# Altium PCB RX.PcbDoc (continued)
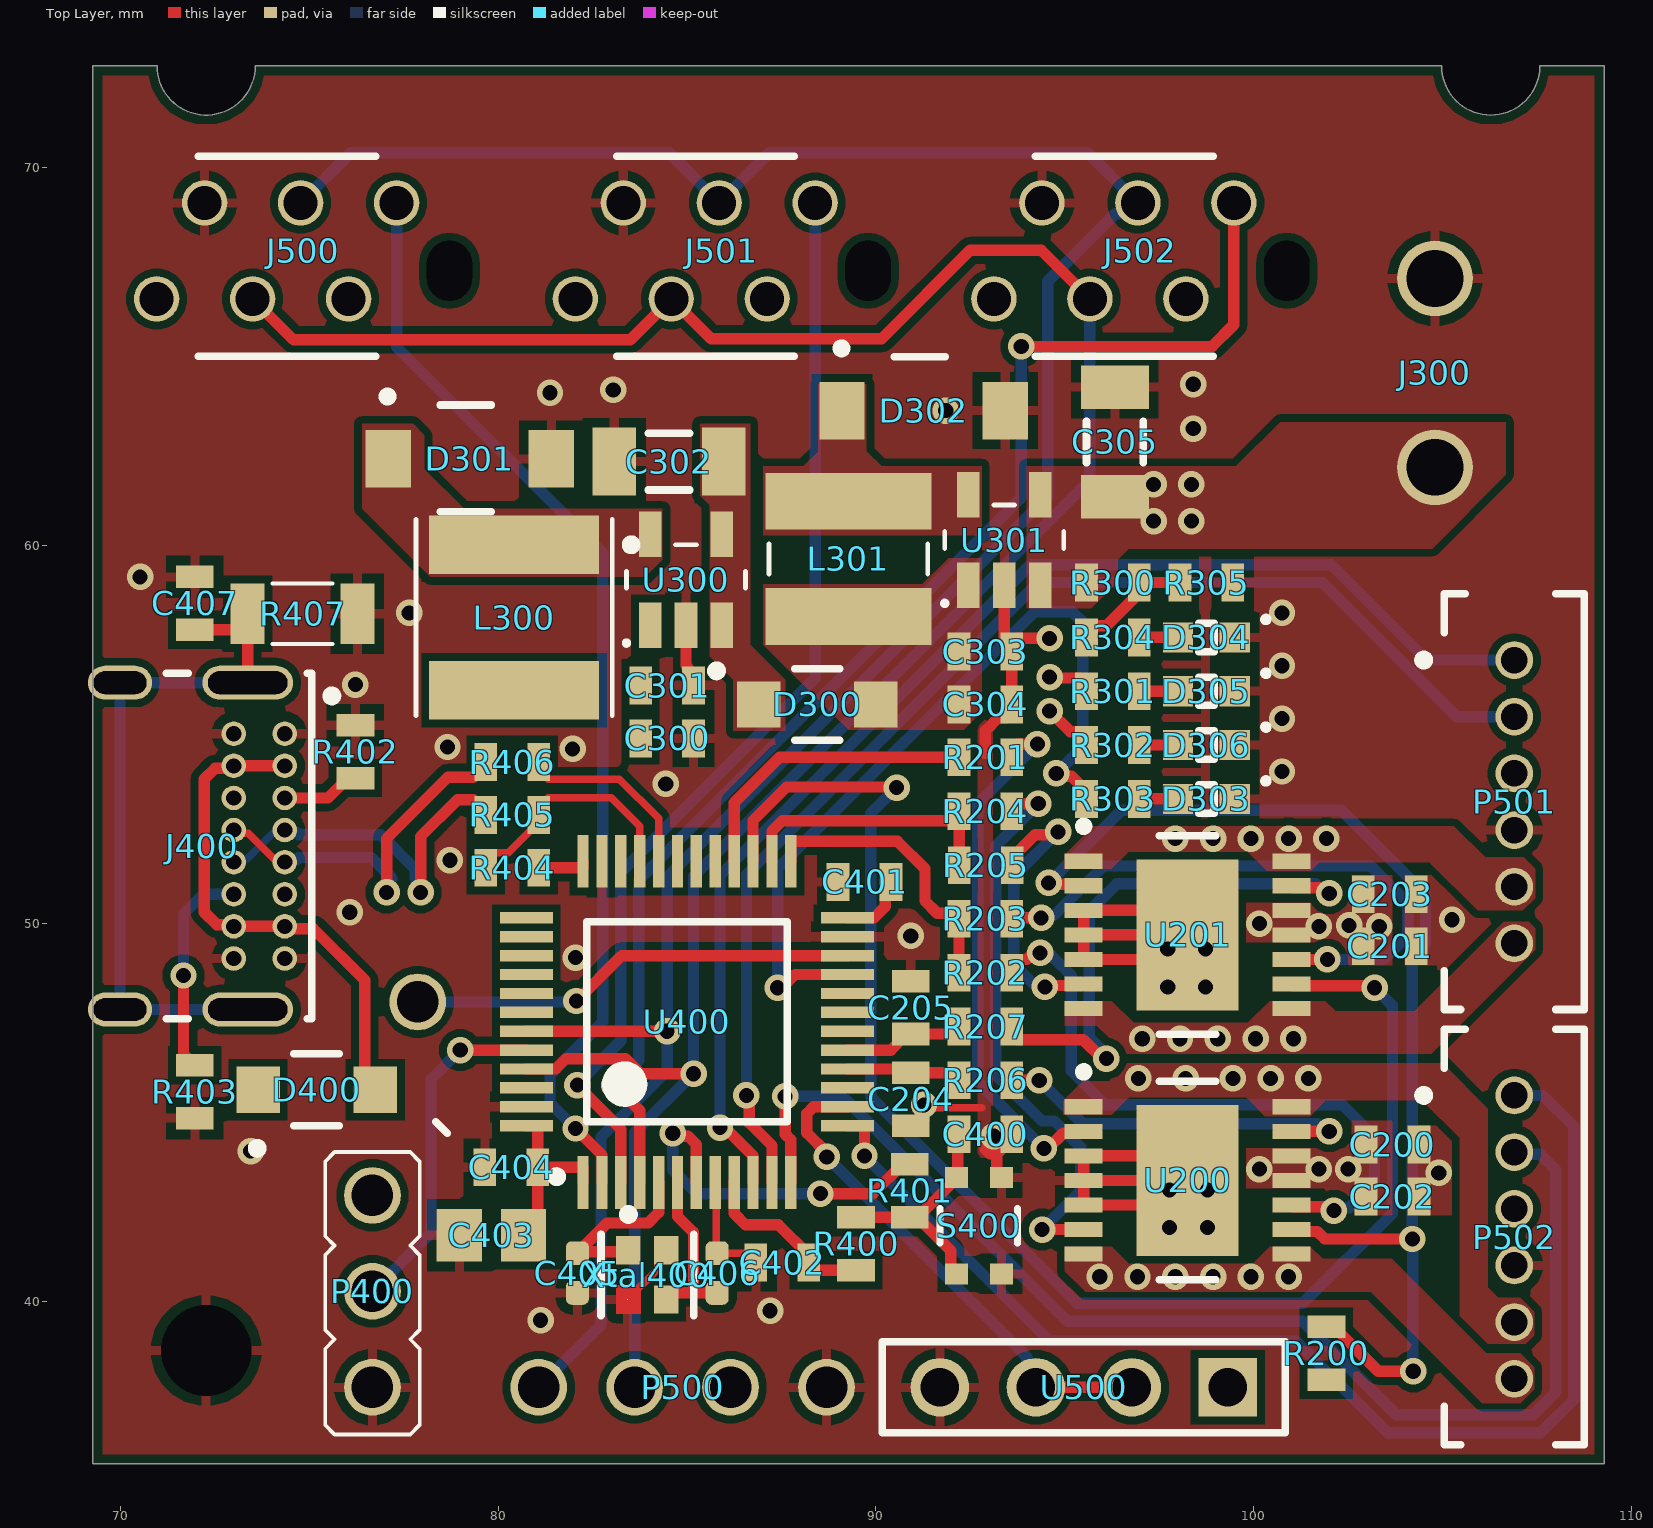
[diagram p0: Top Layer view]
## Footprints (in the part's own frame and the unit in brackets; to place one, negate y for a bottom-side part, rotate by r counter-clockwise, add the part's x,y. Pads: shape width x height; smd on the part's side, far side on the other; paste and mask are expansions set on the pad)
"2.54mm 4 POS XY-MK-5V RF" [mm] "Elevated Socket, 1x5 Pins, Vertical, 2.54mm Pitch, Female"
  rect 1.55x1.55 hole 1.02: 1(0,0)
  round 1.55 hole 1.02: 2(2.54,0) 3(5.08,0) 4(7.62,0)
  silkscreen extent -1.53,-1.2 9.14,1.2, body extent -20.98,2.21 9.02,21.41, height 6.1
"3Pos Pin Header" [mm]
  round 1.5 hole 1.1: 1(-2.56,0) 2(-0.02,0) 3(2.52,0)
  silkscreen extent -3.81,-1.25 3.67,1.25, body extent -3.89,-1.24 3.73,1.25, height 8.57
"4Pos Pin Header Vertical" [mm]
  round 1.5 hole 1.1: 1(-3.81,0) 2(-1.27,0) 3(1.27,0) 4(3.81,0)
  body extent -5.08,-1.27 5.08,1.27, height 8.57
7-215079-6-Footprint-1 [mm]
  round 0 hole 1.2 slot 1.6 at 90 deg unplated: 0(7.75,0.74)
  round 1.2 hole 0.9: 1(0,0) 2(1.27,2.54) 3(2.54,0) 4(3.81,2.54) 5(5.08,0) 6(6.35,2.54)
  silkscreen extent 1.1,-1.53 5.8,3.77, body extent -1.6,-1.38 7.96,3.62, height 4
"0603 RED LED" [mm] "Generic 0603 RED LED"
  rect 0.8x0.8 smd: 1(0.75,0) 2(-0.75,0)
  silkscreen extent -0.2,-0.38 1.6,0.5, body extent -0.8,-0.4 0.8,0.4, height 0.4
BTM9011EPXUMA1 [mm]
  rect 1x0.4 smd: 1(-2.75,1.95) 2(-2.75,1.3) 3(-2.75,0.65) 4(-2.75,0) 5(-2.75,-0.65) 6(-2.75,-1.3) 7(-2.75,-1.95) 8(2.75,-1.95) 9(2.75,-1.3) 10(2.75,-0.65) 11(2.75,0) 12(2.75,0.65) 13(2.75,1.3) 14(2.75,1.95)
  rect 2.7x4 smd: 15(0,0)
  silkscreen extent -2.85,-2.62 0.75,2.98, body extent -3,-2.45 3,2.45, height 1.16
FP-ABM11-MFG [mm]
  rect 0.75x0.65 smd paste+0 mask+0: 1(-0.65,-0.5) 3(0.65,0.5) 4(-0.65,0.5)
  round 0.025 smd paste+0 mask+0: 2(0.65,-0.525)
  Top Layer region: 0.275,-0.325 0.425,-0.175 1.025,-0.175 1.025,-0.825 0.275,-0.825
  silkscreen extent -1.72,-1.22 1.07,1.22, body extent -1.17,-0.97 1.17,0.97, height 0.25
FP-B6B-ZR-SM4-TF_LF_SN-MFG [mm]
  round 1 hole 0.7 paste-2539.97 mask+0: 1(-3.75,0) 2(-2.25,0) 3(-0.75,0) 4(0.75,0) 5(2.25,0) 6(3.75,0)
  silkscreen extent -5.5,-2.52 5.5,1.85, body extent -5.25,-1.75 5.25,1.75, height 4.5
FP-MBR1020VL_R1_00001-MFG [mm]
  rect 1.15x1.22 smd paste+0 mask+0: 1(-1.55,0) 2(1.55,0)
  silkscreen extent -2.79,-0.95 0.6,1.01, body extent -2.22,-1.05 2.22,1.05, height 0.25
FP-USB4085-GF-A-MFG [mm]
  rrect100% 0.9x2.4 hole 2.1 slot 0.6 at 0 deg paste-2539.97 mask+0: 1(-4.325,3.045) 2(4.325,3.045)
  rrect100% 0.9x1.7 hole 1.4 slot 0.6 at 0 deg paste-2539.97 mask+0: 3(-4.325,-0.335) 4(4.325,-0.335)
  round 0.65 hole 0.4 paste-2539.97 mask+0: A1(-2.975,4.025) A4(-2.125,4.025) A5(-1.275,4.025) A6(-0.425,4.025) A7(0.425,4.025) A8(1.275,4.025) A9(2.125,4.025) A12(2.975,4.025) B1(2.975,2.675) B4(2.125,2.675) B5(1.275,2.675) B6(0.425,2.675) B7(-0.425,2.675) B8(-1.275,2.675) B9(-2.125,2.675) B12(-2.975,2.675)
  silkscreen extent -4.57,0.89 4.57,5.4, body extent -4.87,-4.83 4.87,4.83, height 0.25
MLCC_0402_M [mm]
  rrect49% 0.63x0.61 smd: 1(-0.525,0) 2(0.525,0)
  body extent -0.5,-0.25 0.5,0.25, height 0.55
MLCC_0603_M [mm]
  rect 0.6x1 smd: 1(-0.7,0) 2(0.7,0)
  body extent -0.8,-0.4 0.8,0.4, height 0.92
MLCC_0805_M [mm] "Chip Capacitor, 2-Leads, Body 2,00x1,25mm, IPC Medium Density"
  rect 1.2x1.4 smd: 1(-0.85,0) 2(0.85,0)
  body extent -1.05,-0.67 1.05,0.67, height 1.35
MLCC_1206_M [mm]
  rect 1.15x1.8 smd: 1(-1.45,0) 2(1.45,0)
  silkscreen extent -0.55,-0.75 0.55,0.75, body extent -1.7,-0.9 1.7,0.9, height 0.75
P5_064B_MFG [mm] "Recommended Land Pattern"
  rect 1.2x0.6 smd paste+0 mask+0: 1(-1.2,0.95) 2(-1.2,0) 3(-1.2,-0.95) 4(1.2,-0.95) 5(1.2,0.95)
  silkscreen extent -1.74,-1.58 0.92,1.64, body extent -1.4,-1.45 1.4,1.45, height 1.1
Resistor_0603_M [mm]
  rect 0.6x1 smd: 1(-0.7,0) 2(0.7,0)
  body extent -0.8,-0.4 0.8,0.4, height 0.45
Resistor_1206_M [mm]
  rect 0.9x1.6 smd: 1(-1.45,0) 2(1.45,0)
  silkscreen extent -0.8,-0.8 0.8,0.8, body extent -1.6,-0.83 1.6,0.83, height 0.56
STM-LQFP48_M [mm] "QFP, 48-Leads, Body 7x7mm, Pitch 0.5mm, IPC Low Density"
  rect 1.4x0.3 smd: 1(-4.25,2.75) 2(-4.25,2.25) 3(-4.25,1.75) 4(-4.25,1.25) 5(-4.25,0.75) 6(-4.25,0.25) 7(-4.25,-0.25) 8(-4.25,-0.75) 9(-4.25,-1.25) 10(-4.25,-1.75) 11(-4.25,-2.25) 12(-4.25,-2.75) 25(4.25,-2.75) 26(4.25,-2.25) 27(4.25,-1.75) 28(4.25,-1.25) 29(4.25,-0.75) 30(4.25,-0.25) 31(4.25,0.25) 32(4.25,0.75) 33(4.25,1.25) 34(4.25,1.75) 35(4.25,2.25) 36(4.25,2.75)
  rect 0.3x1.4 smd: 13(-2.75,-4.25) 14(-2.25,-4.25) 15(-1.75,-4.25) 16(-1.25,-4.25) 17(-0.75,-4.25) 18(-0.25,-4.25) 19(0.25,-4.25) 20(0.75,-4.25) 21(1.25,-4.25) 22(1.75,-4.25) 23(2.25,-4.25) 24(2.75,-4.25) 37(2.75,4.25) 38(2.25,4.25) 39(1.75,4.25) 40(1.25,4.25) 41(0.75,4.25) 42(0.25,4.25) 43(-0.25,4.25) 44(-0.75,4.25) 45(-1.25,4.25) 46(-1.75,4.25) 47(-2.25,4.25) 48(-2.75,4.25)
  silkscreen extent -4.22,-2.65 2.65,3.57, body extent -3.5,-3.5 3.5,3.5, height 1.6
USLPT2819DT4TR-Footprint-1 [mm]
  rect 0.55x0.6 smd: 1(-1.275,0.6) 2(1.275,0.6) 3(-1.275,-0.59) 4(1.275,-0.59)
  silkscreen extent -0.46,-1.02 0.46,1.03, body extent -1.5,-0.94 1.5,0.96, height 0.43
VSSAF3M10HM3_H-Footprint-1 [mm]
  rect 1.2x1.52 smd: 1(-2.16,0) 2(2.16,0)
  silkscreen extent -2.29,-1.4 0.58,1.76, body extent -2.59,-1.29 2.61,1.31, height 1
WE-LQS_4025 [mm] "SMD Power Inductor, 2-Leads, body 4x4mm"
  rect 1.5x4.4 smd: 1(-1.525,0) 2(1.525,0)
  silkscreen extent -0.4,-2.1 0.4,2.1, body extent -2,-2 2,2, height 2.15
WE-LQS_5040 [mm] "SMD Power Inductor, 2-Leads, body 5x5mm"
  rect 1.55x4.5 smd: 1(1.925,0) 2(-1.925,0)
  silkscreen extent -2.6,-3.22 2.6,2.6, body extent -2.5,-2.5 2.5,2.5, height 4.03
XT30U-F [mm]
  round 2 hole 1.5: 1(0,2.5) 2(0,-2.5)
  body extent -2.8,-5.44 2.82,5.43, height 9.67

## Part data
C200 C201: library part CMP-001-1257-1, "MLCC, 0603, 4.7u, 10%, 35V, X5R", Capacitor Type=Ceramic, Case/Package=0603, Dielectric=X5R, Manufacturer=Any, Tolerance=10%, Voltage=35V, Mount=SMD, Part number="MLCC, 0603, 4.7u, 10%, 35V, X5R", RoHS=Yes
C202 C203: library part CMP-001-0755-1, "MLCC, 0603, 100n, 10%, 35V, X7R", Capacitor Type=Ceramic, Case/Package=0603, Dielectric=X7R, Manufacturer=Any, Tolerance=10%, Voltage=35V, Mount=SMD, Part number="MLCC, 0603, 100n, 10%, 35V, X7R", RoHS=Yes
C204 C205: library part CMP-001-0474-1, "MLCC, 0603, 15p, 5%, 50V, C0G/NP0", Capacitor Type=Ceramic, Case/Package=0603, Dielectric=C0G/NP0, Manufacturer=Any, Tolerance=5%, Voltage=50V, Mount=SMD, Part number="MLCC, 0603, 15p, 5%, 50V, C0G/NP0", RoHS=Yes
C300 C301 C303 C304: library part CMP-001-1264-1, "MLCC, 0603, 22u, 10%, 16V, X5R", Capacitor Type=Ceramic, Case/Package=0603, Dielectric=X5R, Manufacturer=Any, Tolerance=10%, Voltage=16V, Mount=SMD, Part number="MLCC, 0603, 22u, 10%, 16V, X5R", RoHS=Yes
C302 C305: library part CMP-001-1124-2, "MLCC, 1206, 4.7u, 10%, 35V, X5R", Capacitor Type=Ceramic, Case/Package=1206, Dielectric=X5R, Manufacturer=Any, Tolerance=10%, Voltage=35V, Mount=SMD, Part number="MLCC, 1206, 4.7u, 10%, 35V, X5R", RoHS=Yes
C400 C401 C402 C404: library part CMP-001-0815-1, "MLCC, 0603, 100n, 10%, 50V, X7R", Capacitor Type=Ceramic, Case/Package=0603, Dielectric=X7R, Manufacturer=Any, Tolerance=10%, Voltage=50V, Mount=SMD, Part number="MLCC, 0603, 100n, 10%, 50V, X7R", RoHS=Yes
C403: library part CMP-001-1830-1, "MLCC, 0805, 4.7u, 20%, 50V, X5R", Capacitor Type=Ceramic, Case/Package=0805, Dielectric=X5R, Manufacturer=Any, Tolerance=20%, Voltage=50V, Mount=SMD, Part number="MLCC, 0805, 4.7u, 20%, 50V, X5R", RoHS=Yes
C405 C406: library part CMP-001-1853-1, "MLCC, 0402, 15p, 10%, 25V, C0G/NP0", Capacitance=15pF, Capacitor Type=Ceramic, Case Code (Imperial)=0402, Case Code (Metric)=1005, Dielectric=C0G, Manufacturer=Any, Max Operating Temperature=125°C, Min Operating Temperature=-55°C, Package Quantity=1, Temperature Coefficient=300ppm/°C, Tolerance=10%, Voltage=25V, Voltage Rating=25, Case/Package=0402, Contact Plating=Tin, Depth=0.5mm, Height=0.5mm, Length=1mm, Material=Ceramic, Mount="Surface Mount", Packaging="Tape and Reel", Part number="MLCC, 0402, 15p, 10%, 25V, C0G/NP0", Radiation Hardening=No, RoHS=Yes, Thickness=0.022inch, Width=0.02inch
C407: library part CMP-001-0547-1, "MLCC, 0603, 1n, 10%, 50V, X5R", Capacitor Type=Ceramic, Case/Package=0603, Dielectric=X5R, Manufacturer=Any, Tolerance=10%, Voltage=50V, Mount=SMD, Part number="MLCC, 0603, 1n, 10%, 50V, X5R", RoHS=Yes
D300 D400: library part CMP-ROOT-01310-1, "Rectifier Diode, Schottky, 1 Phase, 1 Element, 1A, 20V V(RRM), Silicon", Case/Package=SOD-123FL, Forward Current=1A, Manufacturer=Panjit, Max Forward Surge Current (Ifsm)=45A, Max Junction Temperature (Tj)=125°C, Max Repetitive Reverse Voltage (Vrrm)=20V, Min Operating Temperature=-55°C, Peak Reverse Current=600µA, Height=1.1mm, Lifecycle Status=Production, Max Operating Temperature=125°C, Max Output Current=1A, Mount=SMD, Number of Elements=1, Number of Terminals=2, Part number=MBR1020VL_R1_00001, Pins=2, REACH SVHC=No, Reverse Standoff Voltage=20V, RoHS=Compliant
D301 D302: library part CMP-ROOT-01308-1, "Rectifier Diode, Schottky, 1 Phase, 1 Element, 2.3A, 100V V(RRM), Silicon, DO-221AC", Case/Package=DO-221AC-2, Forward Voltage=720mV, Max Forward Surge Current (Ifsm)=80A, Max Operating Temperature=175°C, Max Output Current=2.3A, Min Operating Temperature=-40°C, Peak Reverse Current=200µA, Reverse Standoff Voltage=100V, Lifecycle Status=Production, Manufacturer=VSSAF3M10HM3/H, Mount=SMD, Number of Elements=1, Number of Terminals=2, Part number=VSSAF3M10HM3/H, Pins=2, REACH SVHC=No, RoHS=Compliant
D303 D304 D305 D306: library part CMP-ROOT-00025-2, "Generic red 0603 LED", Case/Package=0603, Manufacturer=Any, Part number="Any Red 0603 LED", Color=Red, Mount=SMD, RoHS=Yes
J300: library part CMP-ROOT-01262-2, "Power Connector", Case/Package=Non-standard, Color=Yellow, Manufacturer=AMASS, Contact Material=Brass, Mount=SMD, Orientation=Straight, Part number=XT30U-F, Pins=2, RoHS=Yes
J400: library part CMP-001-1800-1, "USB Connector, 16 Contact(s), Female, Right Angle, Solder Terminal, Locking, Receptacle", Current Rating=4.25A, Flammability Rating="UL94 V-0", Insulation Color=Black, Manufacturer=GCT, Max Operating Temperature=85°C, Min Operating Temperature=-40°C, Part number=USB4800-03-A, Voltage Rating=20V, Connector Type=USB, Contact Material="Copper Alloy", Contact Plating=Gold, Gender=Receptacle, Height=3.66mm, Mating Cycles=10000, Mount=TH, Mounting Technology="Through Hole,Horizontal", Number of Contacts=16, Number of Ports=1, Number of Positions=16, Orientation="Right Angle", Packaging="Tape and Reel", Pins=16, RoHS=Yes, Series=USB4085, Shielding=Shielded, Standoff Height=3.5mm, Termination=Solder, USB PD=3.2, USB Standard="USB 2.0"
J500 J501 J502: library part CMP-ROOT-01311-2, "Conn FFC Connector F 6 POS 1.27mm Solder ST Thru-Hole Automotive Box/Carton", Color=Red, Contact Current Rating=1A, Contact Resistance=10mΩ, Insulation Resistance=1GΩ, Manufacturer="TE Connectivity", Manufacturer Lifecycle Status=ACTIVE, Max Operating Temperature=105°C, Min Operating Temperature=-40°C, Operating Force=4.8928N, Operating Supply Voltage=100V, China RoHS=Compliant, Contact Gender=Female, Contact Material="Nickel, Tin", Contact Plating=Tin, Current Rating=1A, Height=4.2mm, Housing Color=Red, Insulation Material=Thermoplastic, Lead Free="Lead Free", Lead Pitch=1.27mm, Length=9.7mm, Lifecycle Status=Production, Mating Connector Lock=Without, Mount=TH, Mounting Technology="Through Hole", Number of Contacts=6, Number of Ports=1, Number of Positions=6, Number of Rows=2, Orientation=Vertical, Packaging=Box, Part number=7-215079-6, PCB Mount Retention=With, Pins=6, Plating Thickness=4.99999µm, REACH SVHC=Yes, RoHS=Compliant, Row Spacing=2.54mm, Shielding=No, Terminal Pitch=1.27mm, Voltage Rating=100V, Voltage Rating (DC)=100V
L300: library part CMP-007-0001-1, "Inductor Power Semi-Shielded Wirewound 33uH 20% 100KHz 1.2A 0.188Ohm DCR 2020 Automotive T/R", Ambient Temperature Range High=85°C, Ambient Temperature Range Low=-40°C, Case/Package=Nonstandard, Current Rating=1.2A, DC Resistance (DCR)=188mΩ, Inductance Tolerance=20%, Manufacturer="Wurth Elektronik", Max Operating Temperature=125°C, Part number=74404043220A, Saturation Current=1.4A, Self Resonant Frequency=13MHz, Test Frequency=100kHz, Composition=Wirewound, Core Material=Ferrite, Height=4mm, Height - Seated (Max)=3.9878mm, Length=5mm, Max DC Current=1.2A, Min Operating Temperature=-40°C, Mount=SMD, Mounting Technology="Surface Mount", Pins=2, REACH SVHC=Unknown, RMS Current (Irms)=1.2A, RoHS=Compliant, Shielding=Shielded, Termination=SMD/SMT, Tolerance=20%, Width=5mm
L301: library part CMP-ROOT-01309-1, "General Purpose Inductor, 22uH, 20%, 1 Element, Nickel-zinc Ferrite-Core, SMD, 1616", Ambient Temperature Range High=85°C, Ambient Temperature Range Low=-40°C, Case/Package="4mm x 4mm", Current Rating=1.11A, DC Resistance (DCR)=200mΩ, Inductance Tolerance=20%, Manufacturer="Wurth Elektronik", Max Operating Temperature=125°C, Height=2.5mm, Length=4mm, Min Operating Temperature=-40°C, Mount=SMD, Part number=74404043220A, Pins=2, RoHS=Compliant, Width=4mm
P400: library part CMP-ROOT-00217-1, "Connector Header Through Hole 3 position 0.100\" (2.54mm)", Case/Package=SIL, Color=Black, Contact Resistance=25mR, Current Rating=3A, Insulation Resistance=10GR, Manufacturer="Harwin Inc.", Max Operating Temperature=105°C, Min Operating Temperature=-40°C, Package Quantity=1000, Voltage Rating (AC)=750V, Connector Type="Male Pin", Contact Material=Brass,Bronze, Contact Mating Length=0.24inch, Contact Plating=Gold, Depth=2.54mm, Height=0.125inch, Housing Color=Black, Housing Material=Nylon, Length=7.62mm, Max Current Rating=3A, Mount="Through Hole", Number of Contacts=3, Number of Positions=3, Number of Rows=1, Orientation=Straight, Packaging=Bulk, Part number=M20-9990345, Pins=3, Pitch=2.54mm, Radiation Hardening=No, REACH SVHC="No SVHC", RoHS=Yes, Termination=Solder, Weight=0.006138oz, Width=0.25inch
P500: library part CMP-002-000004-1, "4 POS 2.54mm Vertical THT Header", Manufacturer="Adam Tech", Lead Free="Lead Free", Mount=TH, Number of Positions=4, Part number=PH1-04-UA, Pins=4, Pitch=2.54mm, RoHS=Yes, Termination="Through Hole"
P501 P502: library part CMP-ROOT-01270-2, "Header for PCB; pitch 1.50mm; 6-contacts; THT; male; top entry; 50V/1A", Color="Natural, White", Contact Resistance=30mΩ, Current Rating=1A, Flammability Rating="UL94 V-0", Insulation Resistance=500MΩ, Manufacturer="JST Sales America Inc.", Max Operating Temperature=85°C, Max Voltage Rating (AC)=50V, Min Operating Temperature=-25°C, Part number=B6B-ZR, Body Plating=Tin, China RoHS=Compliant, Connector Type="Male Pin", Contact Gender=Male, Contact Material="Copper, Tin", Contact Mating Length=2.3876mm, Contact Plating=Tin, Depth=3.5mm, Fastening Type=Detent, Gender=Male, Height=4.5mm, Housing Material=Polyamide, Lead Free="Lead Free", Lead Pitch=1.5mm, Length=3.048mm, Lifecycle Status=Production, Material=Nylon, Max Current Rating=1A, Mount=TH, Mounting Technology="Through Hole", Number of Contacts=6, Number of Positions=6, Number of Rows=1, Orientation=Straight, Packaging=Bulk, Panel Thickness=3.5mm, Pins=6, Pitch=1.5mm, REACH SVHC=Yes, RoHS=Compliant, Terminal Pitch=1.5mm, Termination=Solder, Voltage Rating=50V, Voltage Rating (AC)=50V, Voltage Rating (DC)=50V, Weight=28.349523g, Width=5.08mm
R200: library part CMP-001-0084-2, "Resistor, 0603, 2k, 1%, 1/10W", Case/Package=0603, Manufacturer=Any, Power=100mW, Tolerance=1%, Mount=SMD, Part number="Resistor, 0603, 2k, 1%, 1/10W", RoHS=Yes
R201 R202 R203 R204 R205 R206 R207 R405 R406: library part CMP-001-0038-3, "Resistor, 0603, 22R, 1%, 1/10W", Case/Package=0603, Manufacturer=Any, Power=100mW, Tolerance=1%, Mount=SMD, Part number="Resistor, 0603, 22R, 1%, 1/10W", RoHS=Yes
R300: library part CMP-001-0088-2, "Resistor, 0603, 3k, 1%, 1/10W", Case/Package=0603, Manufacturer=Any, Power=100mW, Tolerance=1%, Mount=SMD, Part number="Resistor, 0603, 3k, 1%, 1/10W", RoHS=Yes
R301 R302 R303 R304: library part CMP-001-0060-2, "Resistor, 0603, 200R, 1%, 1/10W", Case/Package=0603, Manufacturer=Any, Power=100mW, Tolerance=1%, Mount=SMD, Part number="Resistor, 0603, 200R, 1%, 1/10W", RoHS=Yes
R305: library part CMP-0001-00237-1, "Resistor, 0603, 1k, 0.1%, 1/16W", Case/Package=0603, Manufacturer=Any, Mount=SMD, Part number=Any, RoHS=Yes
R400: library part CMP-001-0101-2, "Resistor, 0603, 10k, 1%, 1/10W", Case/Package=0603, Manufacturer=Any, Power=100mW, Tolerance=1%, Mount=SMD, Part number="Resistor, 0603, 10k, 1%, 1/10W", RoHS=Yes
R401: library part CMP-001-0054-5, "Resistor, 0603, 100R, 1%, 1/10W", Case/Package=0603, Manufacturer=Any, Power=100mW, Tolerance=1%, Mount=SMD, Part number="Resistor, 0603, 100R, 1%, 1/10W", RoHS=Yes
R402 R403: library part CMP-001-0094-2, "Resistor, 0603, 5.1k, 1%, 1/10W", Case/Package=0603, Manufacturer=Any, Power=100mW, Tolerance=1%, Mount=SMD, Part number="Resistor, 0603, 5.1k, 1%, 1/10W", RoHS=Yes
R404: library part CMP-001-0081-2, "Resistor, 0603, 1.5k, 1%, 1/10W", Case/Package=0603, Manufacturer=Any, Power=100mW, Tolerance=1%, Mount=SMD, Part number="Resistor, 0603, 1.5k, 1%, 1/10W", RoHS=Yes
R407: library part CMP-0001-00051-1, "Resistor, 1206, 1M, 1%, 1/4W", Case/Package=1206, Manufacturer=Any, Mount=SMD, Part number=Any, RoHS=Yes
S400: library part CMP-ROOT-01290-1, "Keypad Switch, SPST, 0.05A, 1.96N, Solder Terminal, Panel Mount", Case/Package=Non-standard, Color=Black, Contact Current Rating=50mA, Manufacturer="TE Connectivity ALCOSWITCH Switches", Max Operating Temperature=85°C, Min Operating Temperature=-40°C, Operating Force=1.96N, China RoHS=Compliant, Contact Material="Stainless Steel", Contact Plating=Silver, Housing Material=Polyethylene, Lifecycle Status=Production, Max Current Rating=50mA, Mount=SMD, Packaging="Tape & Reel", Part number=USLPT2819DT4TR, REACH SVHC=Yes, RoHS=Compliant, Throw Configuration=SPST
U200 U201: library part CMP-00022-3, "DC Mtr Drive, Brush, 150DEGC, TSSOPEP-14 Rohs Compliant: Yes", Case/Package=14-TSSOP, Current - Output=9.2A, Manufacturer="Infineon Technologies", Operating Temperature="-40C ~ 150C", Voltage - Load="4.5V ~ 40V", Interface=SPI, Motor Type - AC, DC="Brushed DC", Mount=SMD, Output configuration="Full bridge", Part number=BTM9011EPXUMA1, REACH SVHC=Yes, RoHS=Compliant, Voltage - Supply="4.5V ~ 40V"
U300: library part CMP-ROOT-0017-1, "Switching Regulator, Current-mode, 0.3A, 170kHz Switching Freq-Max, PDSO5", Case/Package=TSOT, Manufacturer="Renesas / Intersil", Manufacturer Lifecycle Status=ACTIVE, Max Junction Temperature (Tj)=125°C, Max Output Current=300mA, Max Output Voltage=5.15V, Max Supply Voltage=80V, Max Switching Frequency=170kHz, Min Input Voltage=7V, Min Operating Temperature=-40°C, Min Output Voltage=3.18V, Nominal Output Voltage=3.3V, Nominal Supply Voltage=18V, Export Control Classification Number (ECCN) Code=EAR99, Harmonized Tariff Schedule (HTS) Code=8540000000, Height=850µm, Height - Seated (Max)=1.1mm, Length=2.9mm, Lifecycle Status=Production, Max Operating Temperature=125°C, Mount=SMD, Mounting Technology="Surface Mount", MSL=3, Number of Circuits=1, Number of Terminals=5, Part Family=RAA211803, Part number=RAA2118034GP3#JA0, Pins=5, Pitch=1mm, REACH SVHC=Yes, RoHS=Compliant, Terminal Pitch=950µm, Topology=Buck, Width=1.6mm
U301: library part CMP-00019-3, "Switching Regulator, Current-mode, 0.3A, 230kHz Switching Freq-Max, PDSO5", Case/Package=TSOT, Manufacturer="Renesas / Intersil", Manufacturer Lifecycle Status=ACTIVE, Max Junction Temperature (Tj)=125°C, Max Output Current=300mA, Max Output Voltage=5.15V, Max Supply Voltage=80V, Max Switching Frequency=230kHz, Min Input Voltage=7V, Min Operating Temperature=-40°C, Min Output Voltage=3.18V, Nominal Output Voltage=5V, Nominal Supply Voltage=18V, Package Quantity=3000, Export Control Classification Number (ECCN) Code=EAR99, Harmonized Tariff Schedule (HTS) Code=8540000000, Height=850µm, Height - Seated (Max)=1.1mm, Length=2.9mm, Lifecycle Status=Production, Max Operating Temperature=125°C, Mount=SMD, Mounting Technology="Surface Mount", MSL=3, Number of Circuits=1, Number of Terminals=5, Part Family=RAA211805, Part number=RAA2118054GP3#JA0, Pins=5, Pitch=1mm, REACH SVHC=Yes, RoHS=Compliant, Terminal Pitch=950µm, Topology=Buck, Width=1.6mm
U400: library part CMP-00012-2, "MCU 32-bit STM32F1 ARM Cortex M3 RISC 64KB Flash 2.5V/3.3V 48-Pin LQFP Tray", Case/Package=LQFP, Clock Frequency=16MHz, Frequency=72MHz, Manufacturer=STMicroelectronics, Manufacturer Package Identifier=ai14911d, Max Operating Temperature=85°C, Max Power Dissipation=363mW, Max Supply Current=50mA, Max Supply Voltage=3.6V, Min Operating Temperature=-40°C, Min Supply Voltage=2V, Nominal Supply Current=1.7µA, Operating Supply Voltage=3.3V, ADC Channels (Resolution)="10-Ch 12-Bit", Address Bus Width=32b, China RoHS=Compliant, Core Architecture=ARM, Data Bus Width=32b, Density=512kb, EEPROM Memory Size=0B, Flash Memory Size=64kB, Height=1.45mm, Height - Seated (Max)=1.6mm, Interface="CAN, USB", Lead Free="Lead Free", Length=7mm, Lifecycle Status=Production, Memory Format=FLASH, Memory Size=64kB, Mount=SMD, Mounting Technology="Surface Mount", Number of A/D Converters=2, Number of ADC Channels=10, Number of Bits=32, Number of Channels=10, Number of I2C Channels=2, Number of I/Os=37, Number of Interrupts=16, Number of Programmable I/O=48, Number of PWM Channels=1, Number of SPI Channels=2, Number of Terminals=48, Number of Timers/Counters=4, Number of USART Channels=3, Oscillator Type=Internal, Part number=STM32F103C8T6, Peripherals=POR, Pins=48, Radiation Hardening=No, RAM Size=20kB, REACH SVHC=Yes, RoHS=Compliant, Schedule B=8542310000, Terminal Pitch=500µm, Termination=SMD/SMT, Watchdog Timer=Yes, Width=7mm
U500: library part CMP-00015-1, "433MHz reciever module, 5V tolerant", Case/Package="2.54mm 4 POS", Manufacturer=Unknown, Mount=THT, Part number="XY-MK-5V RF", RoHS=Yes
Xtal400: library part CMP-ROOT-01254-3, "Crystal 16MHz ±10ppm (Tol) ±15ppm (Stability) 12pF FUND 150Ohm 4-Pin Ultra Mini-CSMD T/R", Case/Package="4-SMD, No Lead", ESR (Equivalent Series Resistance)=150Ω, Frequency=16MHz, Frequency Stability=15ppm, Frequency Tolerance=0.001%, Load Capacitance=12pF, Manufacturer="Abracon LLC", Max Operating Temperature=85°C, Min Operating Temperature=-30°C, China RoHS=Compliant, ESR=150Ω, Height=590µm, Length=2mm, Lifecycle Status=Production, Mount=SMD, Mounting Technology="Surface Mount", REACH SVHC=Yes, RoHS=Compliant, Schedule B=8541600080, Tolerance=0.001%, Width=1.6mm

## Free pads (board coordinates)
  round 0 hole 2.4 unplated: 0(72.275,38.7)
  round 1.5 hole 1.1: 0(77.875,47.925)

## Via types
v1: diameter 0.7, hole 0.4, Top Layer to Bottom Layer, 108 vias

## Nets (pads, with @x,y where several pads share a name; then routed paths per layer and width w, separated by ;. In a path a pad name is that pad's centre, name@x,y a point inside that pad or via, vN(x,y) a via of type N, cw(c..) or ccw(c..) an arc to the next point about the centre after c; other vN are vias at no path point)
+3V3: C300.2 C301.2 C401.1 C402.1 C403.2 C404.1 J500.1 J501.1 J502.1 L300.2 P400.3 P500.2 R200.2 R302.1 R400.2 R404.2 U300.1 U400.1 U400.9 U400.24 U400.36 U400.48 | length 14.4
  Top Layer w0.3: C403.2 81.05,42.125 C404.1 ; U400.48 81.05,44.65 C404.1 ; R404.2 82.25,51.475 U400.36 ; U400.1 82.25,43.55 C404.1 ; U400.9 86.25,42.325 86.55,42.025 87.425,42.025 88.225,41.225 88.225,40.975 88.375,40.825 R400.2 ; U400.24 89.95,50.15 90.25,50.45 90.25,50.95 C401.1 ; v1(94.6,55.625) 95.15,55.075 95.425,55.075 95.575,54.925 R302.1
+5V: C302.2 D300.1 D400.1 R301.1 U300.3 U300.4 U500.1 | length 1.2
  Top Layer w0.3: v1(94.6,56.525) 94.625,56.5 95.425,56.5 95.575,56.35 R301.1
+12V: C200.2 C201.2 C202.2 C203.2 C305.2 J300.1 P501.3 P502.3 R300.2 U200.11 U200.12 U201.11 U201.12 U301.3 U301.4
  other v1: 100.15,43.5 101.725,43.5 102.5,43.5 101.725,49.925 103.325,49.925 102.525,49.95 100.15,50 97.35,60.65 98.35,60.65 97.35,61.625 98.35,61.625
BOOT0: P400.2 U400.44 | length 9.1
  Top Layer w0.3: v1(79,46.65) U400.44
  Bottom Layer w0.3: P400.2 78.225,41.815 78.225,45.875 v1(79,46.65)
CS: R202.1 R203.1 U400.25 | length 7.7
  Top Layer w0.3: U400.25 87.75,52.175 90.575,52.175 91.3,51.45 91.3,50.6 91.626,50.274 92.051,50.274 R203.1 R202.1
D_N: J400.A7 J400.B7 R406.1 | length 10.3
  Top Layer w0.2: J400.B7 73.091,52.389 73.386,52.389 74.064,51.711 74.269,51.711 J400.A7
  Top Layer w0.3: v1(77.05,50.825) 77.05,52.249 78.676,53.875 79.349,53.875 79.399,53.925 79.525,53.925 79.675,54.075 R406.1
  Bottom Layer w0.3: J400.A7 74.422,51.692 74.668,51.692 74.726,51.75 76.645,51.75 77.194,51.201 77.127,51.133 77.127,50.902 v1(77.05,50.825)
D_P: J400.A6 J400.B6 R405.1 | length 10.1
  Top Layer w0.3: v1(77.95,50.825) 77.95,52.3 78.925,53.275 79.349,53.275 79.399,53.225 79.525,53.225 79.675,53.075 R405.1
  Bottom Layer w0.2: J400.B6 73.091,51.711 73.361,51.711 74.039,52.389 74.269,52.389 J400.A6
  Bottom Layer w0.3: J400.A6 74.422,52.408 74.668,52.408 74.726,52.35 76.894,52.35 77.8,51.444 77.8,51.206 77.873,51.133 77.873,50.902 v1(77.95,50.825)
DBG_LED: R303.1 U400.21 | length 21.6
  Top Layer w0.3: v1(87.4,48.3) 87.508,48.3 87.858,48.65 U400.21 ; v1(94.775,53.975) 94.852,53.898 95.177,53.898 95.575,53.5 R303.1
  Bottom Layer w0.3: v1(87.4,48.3) 87.4,51.45 94.2,58.25 95.2,58.25 95.475,57.975 95.475,54.675 v1(94.775,53.975)
EN: R401.2 U400.7 | length 9.6
  Top Layer w0.3: v1(84.625,44.45) 84.702,44.373 85.027,44.373 85.25,44.15 U400.7 ; v1(88.531,42.851) 89.926,42.851 90.7,43.625 R401.2
  Bottom Layer w0.3: v1(84.625,44.45) 84.625,43.475 85.249,42.851 v1(88.531,42.851)
FRONT_LED: pad.0@77.875,47.925 U400.22 | length 11.9
  Top Layer w0.3: v1(82.075,47.95) 83.275,49.15 U400.22
  Bottom Layer w0.3: pad.0@77.875,47.925 82.05,47.925 v1(82.075,47.95)
GND: C200.1 C201.1 C202.1 C203.1 C204.2 C205.2 C300.1 C301.1 C302.1 C303.1 C304.1 C305.1 C400.1 C401.2 C402.2 C403.1 C404.2 C405.1 C406.1 C407.1 D301.2 D302.2 D303.1 D304.1 D305.1 D306.1 J300.2 J400.A1 J400.A12 J400.B1 J400.B12 J500.2 J501.2 J502.2 P400.1 P500.1 P501.4 P502.4 pad.0@72.275,38.7 R305.1 R402.2 R403.1 R407.2 S400.1 S400.2 U200.3 U200.4 U200.5 U200.15 U201.3 U201.4 U201.5 U201.15 U300.2 U301.2 U400.8 U400.23 U400.35 U400.47 U500.4 Xtal400.2 Xtal400.4 | length 35.1
  Top Layer w0.2: Xtal400.2 84.225,40.85 84.225,41.125 Xtal400.4 ; U400.8 85.775,43.125 85.775,41.3 C406.1 86.625,41.275 86.825,41.075 C402.2 ; v1(91.275,45.2) 91.35,45.125 92.8,45.125
  Top Layer w0.3: U300.2 84.975,56.826 85.025,56.776 85.025,56.45 C301.1 ; C204.2 91.125,44.65 91.275,44.8 v1(91.275,45.2) ; 92.9,44.025 93.026,43.899 93.2,43.899 ; 92.9,54.5 92.9,55.1 93.25,55.45 93.45,55.45 93.6,55.6 C303.1 ; S400.1 93.2,43.4 93.2,43.899 ; U301.2 93.4,57.6 C303.1@93.6,57.4 ; C400.1 93.6,44.225 93.45,44.075 93.376,44.075 93.2,43.899 ; v1(94.6,57.55) 93.75,57.55 C303.1@93.6,57.4 ; U201.15@97.725,50.325 97.7,50.35 U201.3 U201.4 ; C303.1 C303.1@93.6,57.4 ; C303.1 C303.1@93.6,57.4 ; U200.4 U200.15 ; U200.4 U200.3 97.6,43.85 U200.15 ; U200.4 U200.5 97.6,42.55 U200.15 ; U201.4 U201.5 97.45,49.05 v1(97.725,49.325) 97.35,49.7 U201.4
  other v1: 81.125,39.5 87.2,39.75 97.775,41.95 98.775,41.95 97.775,42.95 98.775,42.95 104.9,43.4 73.45,43.975 93.125,44.375 97.725,48.325 98.725,48.325 82.05,49.1 98.725,49.325 90.925,49.675 105.25,50.1 76.075,50.3 78.725,51.675 84.438,53.697 100.75,54.025 81.975,54.625 78.662,54.673 100.75,55.425 76.225,56.325 100.75,56.825 77.65,58.225 100.75,58.225 70.525,59.175 98.4,63.1 91.85,63.575 81.375,64.05 83.05,64.125 98.4,64.275
HE1_A: P502.2 U400.12 | length 33.6
  Top Layer w0.3: v1(87.6,45.425) 87.6,44.425 87.75,44.275 U400.12
  Bottom Layer w0.3: v1(87.6,45.425) 89.125,45.425 95.075,39.475 101.3,39.475 103.775,37 107.4,37 108,37.6 108,43.475 107.584,43.891 106.959,43.891 P502.2
HE1_B: P502.1 U400.13 | length 32.6
  Top Layer w0.3: U400.13 89.7,44.65 v1(89.7,43.85)
  Bottom Layer w0.3: v1(89.7,43.85) 94.6,38.95 101.125,38.95 103.55,36.525 107.6,36.525 108.475,37.4 108.475,44.625 107.65,45.45 P502.1
HE2_A: P501.2 U400.11 | length 33.4
  Top Layer w0.3: v1(86.575,45.45) 86.652,45.373 86.652,44.723 87.25,44.124 U400.11
  Bottom Layer w0.3: v1(86.575,45.45) 86.575,51.3 94.3,59.025 101.825,59.025 105.375,55.475 P501.2
HE2_B: P501.1 U400.10 | length 34
  Top Layer w0.3: v1(85.875,44.6) 85.952,44.523 86.08,44.523 86.75,43.854 U400.10
  Bottom Layer w0.3: v1(85.875,44.6) 85.875,51.275 94.1,59.5 102.05,59.5 104.575,56.975 P501.1
IS1: C204.1 R206.1 U400.16 | length 3.1
  Top Layer w0.3: U400.16 90.825,46.15 C204.1 92.05,46.05 92.2,45.9 R206.1
IS2: C205.1 R207.1 U400.17 | length 3.3
  Top Layer w0.3: U400.17 90.399,46.65 90.575,46.826 90.575,46.925 90.725,47.075 C205.1 92.05,47.075 92.2,47.225 R207.1
M1_N: P502.6 U200.7 U200.8
  other v1: 95.925,40.65 96.925,40.65 97.925,40.65 98.925,40.65 99.925,40.65 100.925,40.65
M1_P: P502.5 U200.1 U200.14
  other v1: 96.95,45.9 98.2,45.9 99.45,45.9 100.45,45.9 101.45,45.9
M2_N: P501.6 U201.7 U201.8
  other v1: 97.05,46.95 98.05,46.95 99.05,46.95 100.05,46.95 101.05,46.95
M2_P: P501.5 U201.1 U201.14
  other v1: 97.925,52.25 98.925,52.25 99.925,52.25 100.925,52.25 101.925,52.25
NetC303_2: C303.2 C304.2 D300.2 L301.2 U301.1
NetC400_2: C400.2 R400.1 R401.1 S400.3 S400.4 | length 6.2
  Top Layer w0.3: R400.1 R401.1 R401.1@91.1,42.225 ; S400.4 92.11,40.725 91.985,40.85 91.985,41.34 R401.1@91.1,42.225 ; C400.2 92.168,44.393 92.168,43.308 S400.3 92.11,43.275 91.985,43.15 91.985,43.11 R401.1@91.1,42.225
NetC405_2: C405.2 U400.5 Xtal400.1 | length 4.8
  Top Layer w0.3: C405.2 82.138,41.313 83.413,41.313 Xtal400.1 ; C405.2@82.1,41.285 82.89,42.075 83.975,42.075 84.25,42.35 U400.5
NetC406_2: C406.2 U400.6 Xtal400.3 | length 4.5
  Top Layer w0.3: Xtal400.3 84.625,40.225 85.175,40.225 ; U400.6 84.75,42.25 85.175,41.825 85.175,40.225 ; C406.2 85.175,40.225
NetC407_2: C407.2 J400.1 J400.2 J400.3 J400.4 R407.1 | length 18.9
  Top Layer w0.3: C407.2 73.075,57.775 73.375,58.075 R407.1 J400.1
  Bottom Layer w0.3: J400.2 J400.4 J400.3 J400.1
NetD301_1: D301.1 L300.1 U300.5
NetD302_1: D302.1 L301.1 U301.5
NetD303_2: D303.2 R303.2 | length 1
  Top Layer w0.3: R303.2 D303.2
NetD304_2: D304.2 R304.2 | length 1
  Top Layer w0.3: R304.2 D304.2
NetD305_2: D305.2 R301.2 | length 1
  Top Layer w0.3: R301.2 D305.2
NetD306_2: D306.2 R302.2 | length 1
  Top Layer w0.3: R302.2 D306.2
NetJ400_A5: J400.A5 R402.1 | length 2.1
  Top Layer w0.3: J400.A5 75.5,53.325 76.025,53.85 R402.1
NetJ400_B5: J400.B5 R403.2 | length 5.7
  Top Layer w0.3: v1(71.675,48.625) 71.675,46.55 R403.2
  Bottom Layer w0.3: v1(71.675,48.625) 71.675,50.25 72.2,50.775 J400.B5
NetR200_1: R200.1 U200.9 U201.2 | length 31.5
  Top Layer w0.3: v1(94.575,51.075) 94.613,51.038 95.462,51.038 U201.2 ; U200.9 101.05,41.85 101.685,41.85 101.885,41.65 v1(104.2,41.65) ; R200.1 102.125,39.325 103.3,38.15 v1(104.225,38.15)
  Bottom Layer w0.3: v1(94.575,51.075) 96.5,53 102.325,53 104.55,50.775 104.55,49.475 104.2,49.125 v1(104.2,41.65) 104.212,41.638 104.212,38.163 v1(104.225,38.15)
NetR201_2: R201.2 U200.2 | length 14.3
  Top Layer w0.3: R201.2 93.6,54.6 93.75,54.75 v1(94.275,54.75) ; v1(94.45,44.05) 94.558,44.05 94.958,44.45 95.45,44.45 U200.2
  Bottom Layer w0.3: v1(94.275,54.75) 92.7,53.175 92.7,45.8 v1(94.45,44.05)
NetR202_2: R202.2 U200.10 | length 17.2
  Top Layer w0.3: R202.2 93.6,48.9 93.75,49.05 93.992,49.05 94.09,49.148 94.273,49.148 v1(94.35,49.225) ; U200.10 101.05,42.5 101.917,42.5 102.017,42.4 v1(102.125,42.4)
  Bottom Layer w0.3: v1(94.35,49.225) 94.427,49.148 94.653,49.148 95.175,48.626 95.175,46.1 96.075,45.2 102.35,45.2 103.2,44.35 103.2,43.15 102.527,42.477 102.202,42.477 v1(102.125,42.4)
NetR203_2: R203.2 U201.10 | length 15.7
  Top Layer w0.3: R203.2 93.625,50.15 v1(94.375,50.15) ; U201.10 v1(101.95,49.05)
  Bottom Layer w0.3: v1(94.375,50.15) 94.452,50.227 94.727,50.227 96.025,51.525 103.1,51.525 104.075,50.55 104.075,49.675 103.45,49.05 v1(101.95,49.05)
NetR204_2: R204.2 U200.6 | length 15
  Top Layer w0.3: R204.2 93.75,53.125 93.75,53.175 v1(94.3,53.175) ; v1(94.4,41.9) U200.6@95.3,41.9
  Bottom Layer w0.3: v1(94.3,53.175) 93.175,52.05 93.175,46 94.4,44.775 94.725,44.775 95.425,44.075 95.425,42.925 v1(94.4,41.9)
NetR205_2: R205.2 U201.6 | length 7.8
  Top Layer w0.3: R205.2 93.608,51.744 94.213,52.348 94.748,52.348 v1(94.825,52.425) ; v1(94.475,48.325) 94.513,48.363 95.463,48.363 U201.6
  Bottom Layer w0.3: v1(94.475,48.325) 94.398,48.402 94.173,48.402 93.65,48.925 93.65,51.25 v1(94.825,52.425)
NetR206_2: R206.2 U200.13 | length 10
  Top Layer w0.3: R206.2 v1(94.325,45.85) ; U200.13 v1(102,44.5)
  Bottom Layer w0.3: v1(94.325,45.85) 95.475,44.7 101.692,44.7 101.892,44.5 v1(102,44.5)
NetR207_2: R207.2 U201.13 | length 14.9
  Top Layer w0.3: R207.2 93.6,47.075 93.75,46.925 95.492,46.925 95.992,46.425 v1(96.1,46.425) ; U201.13 101.05,50.95 101.742,50.95 101.892,50.8 v1(102,50.8)
  Bottom Layer w0.3: v1(96.1,46.425) 96.1,46.533 95.65,46.983 95.65,50.325 96.375,51.05 101.642,51.05 101.892,50.8 v1(102,50.8)
NetR300_1: R300.1 R304.1 R305.2 | length 3.3
  Top Layer w0.3: R304.1 95.575,57.731 95.725,57.881 96.106,57.881 96.825,58.6 96.825,58.875 R300.1 R305.2
RF_DATA: U400.14 U500.2 U500.3 | length 13.4
  Top Layer w0.3: v1(88.7,43.825) 88.7,43.933 88.175,44.458 88.175,44.974 88.351,45.15 U400.14 ; U500.3 U500.2
  Bottom Layer w0.3: v1(88.7,43.825) 93.996,38.529 93.996,37.964 U500.3
SCK: R204.1 R205.1 U400.26 | length 7.5
  Top Layer w0.3: U400.26 87.25,52.45 87.525,52.725 92.05,52.725 92.2,52.875 R204.1 92.204,52.971 92.204,51.548 R205.1
SCL: J500.3 J501.3 J502.3 P500.3 U400.45 | length 63.5
  Top Layer w0.3: J500.3 74.59,65.45 83.5,65.45 J501.3 85.645,65.475 90.15,65.475 92.5,67.825 94.375,67.825 J502.3 ; U400.45 81.525,46.15 81.8,46.425 83.375,46.425 83.775,46.025 v1(85.175,46.025)
  Bottom Layer w0.3: P500.3 83.615,44.465 v1(85.175,46.025) 85.175,51.25 95.665,61.74 J502.3
SD: U400.19
SDA: J500.4 J501.4 J502.4 P500.4 U400.43 | length 66.1
  Top Layer w0.3: U400.43 v1(84.475,47.15)
  Bottom Layer w0.3: J500.4 76.1,70.4 84.53,70.4 J501.4 87.18,70.4 95.61,70.4 J502.4@96.78,69.23 ; P500.4 82.725,39.375 82.725,44.35 84.475,46.1 v1(84.475,47.15) 84.475,51.225 94.55,61.3 94.55,67 96.338,68.788 96.404,68.788 96.78,69.164 J502.4@96.78,69.23 ; J502.4 J502.4@96.78,69.23
SDI: R201.1 U400.28 | length 8
  Top Layer w0.3: U400.28 86.25,53.2 87.45,54.4 R201.1
SDO: U201.9 U400.27 | length 39.2
  Top Layer w0.3: U400.27 86.75,52.725 87.637,53.612 90.538,53.612 v1(90.55,53.6) ; U201.9 101.05,48.35 103.15,48.35 v1(103.2,48.3)
  Bottom Layer w0.3: v1(90.55,53.6) 89.861,52.911 89.861,45.414 95.325,39.95 101.3,39.95 103.675,42.325 103.675,47.824 v1@103.2,48.299
SPI: U400.18
TOF_1: J500.6 U400.2 | length 29.3
  Top Layer w0.3: v1(82.05,44.575) 82.75,43.875 U400.2
  Bottom Layer w0.3: J500.6 77.315,65.26 82.775,59.8 82.775,47.4 81.375,46 81.375,45.25 v1(82.05,44.575)
TOF_2: J501.6 U400.3 | length 29
  Top Layer w0.3: v1(82.1,45.725) 82.1,45.708 83.25,44.558 U400.3
  Bottom Layer w0.3: v1(82.1,45.725) 82.1,45.75 83.25,46.9 83.25,51.35 88.395,56.495 J501.6
TOF_3: J502.6 U400.4 | length 36
  Top Layer w0.3: v1(83.075,45.725) 83.75,45.05 U400.4 ; v1(93.85,65.275) 98.9,65.275 99.475,65.85 J502.6
  Bottom Layer w0.3: v1(83.075,45.725) 83.725,46.375 83.725,51.15 93.85,61.275 v1(93.85,65.275)
USB_D_N: R406.2 U400.32 | length 5
  Top Layer w0.2: R406.2 81.075,54.075 81.325,53.825 83.207,53.825 84.25,52.782 U400.32
USB_D_P: R404.1 R405.2 U400.33 | length 6.4
  Top Layer w0.2: R404.1 79.675,51.675 79.875,51.875 80.275,51.875 81.075,52.675 R405.2 81.075,53.075 81.325,53.325 83,53.325 83.75,52.575 U400.33
VBUS: D400.2 J400.A4 J400.A9 J400.B4 J400.B9 | length 13.1
  Top Layer w0.3: J400.A4 J400.B9 72.938,54.108 72.508,54.108 72.225,53.825 72.225,50.3 72.554,49.971 72.959,49.971 J400.B4 J400.A9 74.422,49.858 75.117,49.858 76.475,48.5 76.475,46.225
pads on no net: J400.A8 J400.B8 J500.0 J500.5 J501.0 J501.5 J502.0 J502.5 U400.15 U400.20 U400.29 U400.30 U400.31 U400.34 U400.37 U400.38 U400.39 U400.40 U400.41 U400.42 U400.46

## Polygon pours and split planes (outlines as drawn)
GND on Top Layer "GND_L01_P057" (solid, remove dead copper, pour order 57): 67.925,76.85 110.925,76.85 110.925,35.175 67.925,35.175
GND on Top Layer "Main" (solid, remove dead copper, pour order 60): 104.075,44.65 105.05,44.65 105.425,44.275 105.425,42.275 104.075,42.275
M1_P on Top Layer "Main" (solid, remove dead copper, pour order 45): 105,46.3 106.2,45.1 106.2,40.375 106.475,40.1 107.05,40.1 107.425,39.725 107.425,39.1 107.2,38.875 106.2,38.875 105.45,39.625 105.45,44.325 104.45,45.325 101.925,45.325 101.487,44.887 100.313,44.887 99.813,45.387 96.687,45.387 96.237,44.937 94.962,44.937 94.962,45.312 95.475,45.825 96.175,45.825 96.65,46.3
+12V on Top Layer "Main" (solid, remove dead copper, pour order 41): 96.4,59.625 96.7,59.925 104.725,59.925 106.675,61.875 106.675,63.275 100.7,63.275 99.525,62.1 94,62.1 94,58.35 95.7,58.35 96.4,59.05
NetC303_2 on Top Layer "Main" (solid, remove dead copper, pour order 39): 92.325,55.125 92.8,55.6 92.8,59.675 91.925,59.675 91.225,58.975 87.025,58.975 87.025,57.375 89.275,55.125
M2_N on Top Layer "Main" (solid, remove dead copper, pour order 44): 95,47.3 95.85,47.3 96.6,46.55 104.7,46.55 107.45,49.3 107.45,49.875 107.275,50.05 106.625,50.05 106.125,49.55 104.25,47.675 102.175,47.675 101.9,47.95 100.425,47.95 99.85,47.375 96.825,47.375 96.25,47.95 95,47.95
+12V on Top Layer "Main" (solid, remove dead copper, pour order 54): 99.8,44.05 99.8,43 101.85,43 102.575,42.275 103.675,42.275 103.675,44.775 102.6,44.775 102.6,44.25 102.4,44.05
+12V on Top Layer "Main" (solid, remove dead copper, pour order 53): 99.8,50.55 99.8,49.5 101.85,49.5 102.45,48.9 103.675,48.9 103.675,51.275 102.6,51.275 102.6,50.75 102.4,50.55
GND on Top Layer "Main" (solid, remove dead copper, pour order 52): 104,51.275 104.7,51.275 105.625,50.35 105.625,49.325 105.2,48.9 104,48.9
M1_N on Top Layer "Main" (solid, remove dead copper, pour order 46): 106.15,38.625 107.05,38.625 107.425,38.25 107.425,37.675 107.05,37.3 106.05,37.3 103.1,40.25 95.55,40.25 95,40.8 95,41.45 96.25,41.45 96.7,41 99.975,41 100.425,41.45 101.5,41.45 101.825,41.125 103.65,41.125
M2_P on Top Layer "Main" (solid, remove dead copper, pour order 43): 107.45,50.675 107.125,50.35 105.925,50.35 104.65,51.625 101.75,51.625 101.525,51.4 100.35,51.4 99.85,51.9 96.7,51.9 96.25,51.45 95,51.45 95,51.825 95.75,52.575 105.3,52.575 106.125,51.75 107.15,51.75 107.45,51.45
NetD301_1 on Top Layer "Main" (solid, remove dead copper, pour order 42): 84.35,60.975 84.35,59.625 83.9,59.175 78.2,59.175 76.4,60.975 76.4,63.225 77.75,63.225 78.05,62.925 78.05,62.025 79.1,60.975
NetD302_1 on Top Layer "Main" (solid, remove dead copper, pour order 40): 90.15,62.1 89.75,62.5 89.75,64.275 88.475,64.275 88.475,62.5 88.075,62.1 87.025,62.1 87.025,60.275 92.8,60.275 92.8,62.1
+5V on Top Layer "Main" (solid, remove dead copper, pour order 38): 85.35,63.225 85.35,61.325 85.6,61.075 85.6,57.075 86.225,56.45 86.225,55.1 87.6,55.1 87.6,56.45 86.675,57.375 86.675,63.225
+12V on Bottom Inner Layer "Main" (solid, remove dead copper, pour order 56): 103.3,42.725 96.2,42.725 95.187,43.663 94.725,44.125 94.725,47.916 95.325,48.516 95.325,58.825 97.3,60.8 101.537,60.8 97.2,56.463 97.2,51.55 103.925,51.55 103.925,49.45 98.425,49.45 96.175,47.2 96.175,45.325 103.3,45.325
GND on Bottom Inner Layer "GND_L03_P059" (solid, remove dead copper, pour order 59): 67.925,76.85 110.925,76.85 110.925,35.175 67.925,35.175
M1_P on Bottom Inner Layer "Main" (solid, remove dead copper, pour order 48): 107.125,38.8 106.225,38.8 105.45,39.575 105.45,44.325 104.475,45.3 96.675,45.3 96.675,46.3 105,46.3 106.2,45.1 106.2,40.375 106.475,40.1 107.05,40.1 107.425,39.725 107.425,39.1
+12V on Bottom Inner Layer "Main" (solid, remove dead copper, pour order 51): 106.675,63.275 106.675,61.875 104.975,60.175 96.85,60.175 96.85,62.1 99.525,62.1 100.7,63.275
M2_P on Bottom Inner Layer "Main" (solid, remove dead copper, pour order 50): 107.45,50.675 107.125,50.35 105.925,50.35 104.625,51.65 97.575,51.65 97.575,52.8 105.075,52.8 106.125,51.75 107.15,51.75 107.45,51.45
M2_N on Bottom Inner Layer "Main" (solid, remove dead copper, pour order 49): 96.6,46.55 104.7,46.55 107.45,49.3 107.45,49.875 107.275,50.05 106.625,50.05 105.825,49.25 103.95,47.375 96.6,47.375
M1_N on Bottom Inner Layer "Main" (solid, remove dead copper, pour order 47): 95.45,41.025 95.713,41.287 103.387,41.287 106.125,38.55 107.125,38.55 107.425,38.25 107.425,37.675 107.05,37.3 106.05,37.3 103.225,40.125 95.675,40.125 95.45,40.35
GND on Top Inner Layer "GND_L02_P055" (solid, remove dead copper, pour order 55): 67.925,76.85 110.925,76.85 110.925,35.175 67.925,35.175
GND on Bottom Layer "GND_L04_P058" (solid, remove dead copper, pour order 58): 67.925,76.85 110.925,76.85 110.925,35.175 67.925,35.175

## Other copper
Top Layer:
  pour cut-out: 80.175,54.975 80.575,54.975 80.575,54.575 80.175,54.575
  pour cut-out: 92.8,59.675 92.8,60.275 92.575,60.275 92.575,59.675
  pour cut-out: 104.815,42.021 105.325,42.021 105.325,41.725 104.815,41.725
Bottom Layer:
  pour cut-out: 104.537,37.684 104.537,37.325 104.275,37.325 104.275,37.675

## Silkscreen, mask and mechanical layers (free items; w line width, h text height)
Top Overlay:
  lines w0.2: 78.35,44.75 78.65,44.45
Bottom Overlay:
  drawing of 25 lines, arcs and shapes, not listed
  text ".GlobalProjectTitle" at 80.5,62.375 h1
  text ".GlobalRevisionEngineer" at 92.175,62.375 h1
  text ".GlobalProjectTitleAbr" at 80.475,60.392 h1
  text ".GlobalRevisionDate" at 92.175,60.225 h1
Mechanical 1:
  the board outline again, w0.254